# KiCad board Batch 1.kicad_pcb (continued)
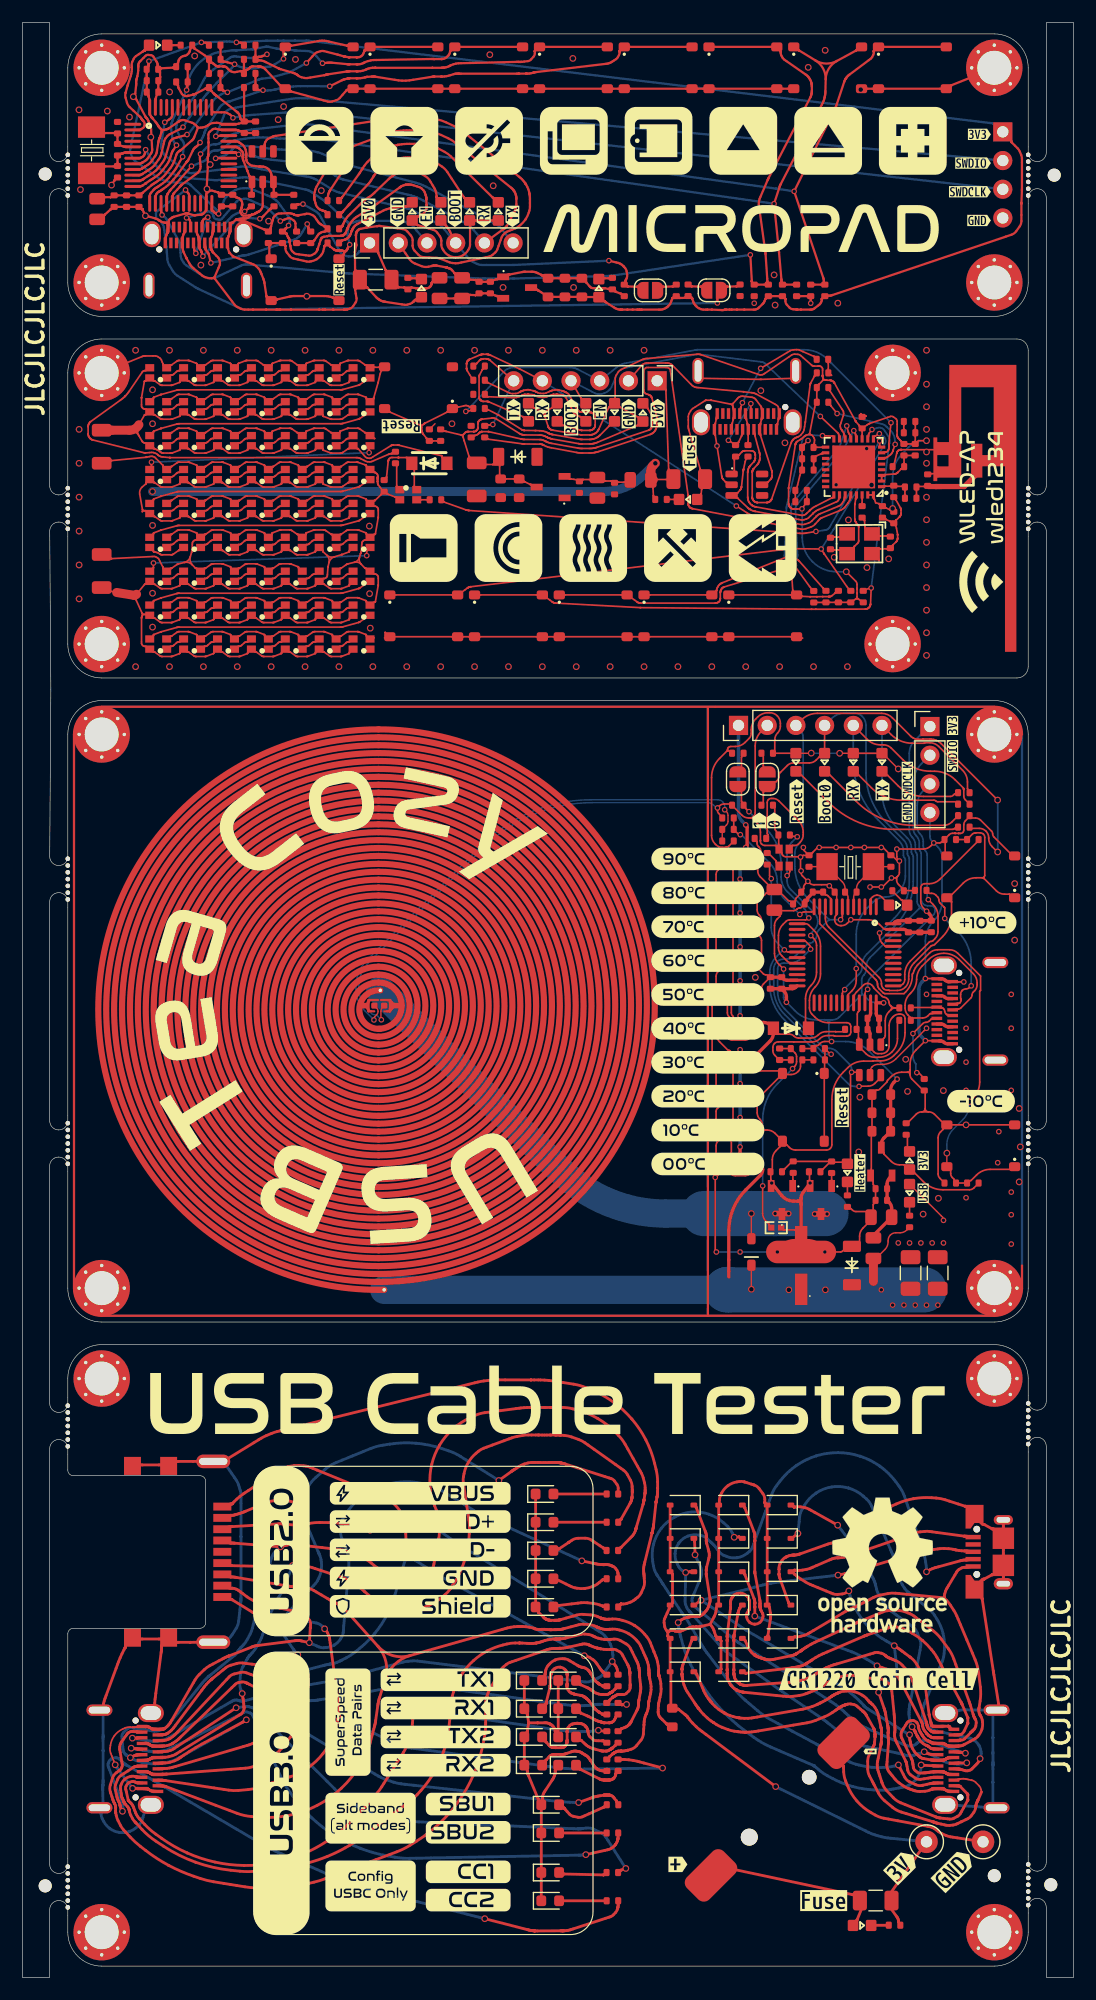
[diagram p0: board, top side]
## Placement (name value [footprint] x y rotation side) (continued)
R73  0402,22  [0402_1005Metric]  78.1 85.8 180 top
R74  0402,22  [0402_1005Metric]  78.1 84.7 180 top
R75  0402,5.1k  [0402_1005Metric]  79.8 79 270 top
R76  0402,100k  [0402_1005Metric]  66.7 71.3 180 top
R77  0402,1.2k  [0402_1005Metric]  73 68.7 270 top
R78  0402,100k  [0402_1005Metric]  70.1 71.3 180 top
R79  47k 3950K  [R0402]  66.7 66.35 180 top
R80  0402,330  [0402_1005Metric]  78.5 66.9 90 top
R81  0402,10k  [0402_1005Metric]  84.1 70.3 180 top
R82  0402,150  [0402_1005Metric]  52.7 23.78 270 top
R83  0402,150  [0402_1005Metric]  52.2 40.28 180 top
R84  0402,150  [0402_1005Metric]  52.2 35.28 180 top
R85  0402,150  [0402_1005Metric]  52.7 21.28 270 top
R86  0402,150  [0402_1005Metric]  52.7 26.28 270 top
R87  0402,150  [0402_1005Metric]  51.7 21.28 270 top
R88  0402,150  [0402_1005Metric]  52.19 37.78 180 top
R89  0402,150  [0402_1005Metric]  52.2 32.78 180 top
R90  0402,150  [0402_1005Metric]  51.7 23.78 270 top
R91  0402,150  [0402_1005Metric]  52.2 42.78 180 top
R92  0402,150  [0402_1005Metric]  51.7 26.28 270 top
R93  0402,150  [0402_1005Metric]  52.2 6.78 180 top
R94  0402,150  [0402_1005Metric]  52.21 15.28 180 top
R95  0402,150  [0402_1005Metric]  52.19 9.28 180 top
R96  0402,150  [0402_1005Metric]  51.7 18.78 270 top
R97  0402,150  [0402_1005Metric]  52.2 12.78 180 top
R98  0402,150  [0402_1005Metric]  52.7 18.78 270 top
R99  0402,330  [0402_1005Metric]  77.17 4.62 180 top
REF**  -  [MouseBitesJLCPCB]  89 97.2 270 top
REF**#2  -  [MouseBitesJLCPCB]  4 8 90 top
REF**#3  -  [OSHW-Logo_11.4x12mm_SilkScreen]  76.1 36.5 0 top
REF**#4  -  [MouseBitesJLCPCB]  89 49 270 top
REF**#5  -  [MouseBitesJLCPCB]  4 97.2 90 top
REF**#6  -  [MouseBitesJLCPCB]  89 8.2 270 top
REF**#7  -  [MouseBitesJLCPCB]  4 48.8 90 top
REF**#8  -  [MouseBitesJLCPCB]  4 73.8 90 top
REF**#9  -  [MouseBitesJLCPCB]  89 73.8 270 top
RGB1  XL-1615RGBC-WS2812B  [LED-SMD_4P-L1.6-W1.5_XL-1615RGBC-WS2812B]  12 130 180 top
RGB2  XL-1615RGBC-WS2812B  [LED-SMD_4P-L1.6-W1.5_XL-1615RGBC-WS2812B]  12 127 180 top
RGB3  XL-1615RGBC-WS2812B  [LED-SMD_4P-L1.6-W1.5_XL-1615RGBC-WS2812B]  21 136 180 top
RGB4  XL-1615RGBC-WS2812B  [LED-SMD_4P-L1.6-W1.5_XL-1615RGBC-WS2812B]  15 127 180 top
RGB5  XL-1615RGBC-WS2812B  [LED-SMD_4P-L1.6-W1.5_XL-1615RGBC-WS2812B]  18 133 180 top
RGB6  XL-1615RGBC-WS2812B  [LED-SMD_4P-L1.6-W1.5_XL-1615RGBC-WS2812B]  24 130 180 top
RGB7  XL-1615RGBC-WS2812B  [LED-SMD_4P-L1.6-W1.5_XL-1615RGBC-WS2812B]  12 142 180 top
RGB8  XL-1615RGBC-WS2812B  [LED-SMD_4P-L1.6-W1.5_XL-1615RGBC-WS2812B]  15 136 180 top
RGB9  XL-1615RGBC-WS2812B  [LED-SMD_4P-L1.6-W1.5_XL-1615RGBC-WS2812B]  18 124 180 top
RGB10  XL-1615RGBC-WS2812B  [LED-SMD_4P-L1.6-W1.5_XL-1615RGBC-WS2812B]  24 142 180 top
RGB11  XL-1615RGBC-WS2812B  [LED-SMD_4P-L1.6-W1.5_XL-1615RGBC-WS2812B]  12 124 180 top
RGB12  XL-1615RGBC-WS2812B  [LED-SMD_4P-L1.6-W1.5_XL-1615RGBC-WS2812B]  21 133 180 top
RGB13  XL-1615RGBC-WS2812B  [LED-SMD_4P-L1.6-W1.5_XL-1615RGBC-WS2812B]  24 136 180 top
RGB14  XL-1615RGBC-WS2812B  [LED-SMD_4P-L1.6-W1.5_XL-1615RGBC-WS2812B]  21 142 180 top
RGB15  XL-1615RGBC-WS2812B  [LED-SMD_4P-L1.6-W1.5_XL-1615RGBC-WS2812B]  15 130 180 top
RGB16  XL-1615RGBC-WS2812B  [LED-SMD_4P-L1.6-W1.5_XL-1615RGBC-WS2812B]  18 139 180 top
RGB17  XL-1615RGBC-WS2812B  [LED-SMD_4P-L1.6-W1.5_XL-1615RGBC-WS2812B]  12 139 180 top
RGB18  XL-1615RGBC-WS2812B  [LED-SMD_4P-L1.6-W1.5_XL-1615RGBC-WS2812B]  21 130 180 top
RGB19  XL-1615RGBC-WS2812B  [LED-SMD_4P-L1.6-W1.5_XL-1615RGBC-WS2812B]  18 136 180 top
RGB20  XL-1615RGBC-WS2812B  [LED-SMD_4P-L1.6-W1.5_XL-1615RGBC-WS2812B]  15 133 180 top
RGB21  XL-1615RGBC-WS2812B  [LED-SMD_4P-L1.6-W1.5_XL-1615RGBC-WS2812B]  21 139 180 top
RGB22  XL-1615RGBC-WS2812B  [LED-SMD_4P-L1.6-W1.5_XL-1615RGBC-WS2812B]  18 130 180 top
RGB23  XL-1615RGBC-WS2812B  [LED-SMD_4P-L1.6-W1.5_XL-1615RGBC-WS2812B]  15 124 180 top
RGB24  XL-1615RGBC-WS2812B  [LED-SMD_4P-L1.6-W1.5_XL-1615RGBC-WS2812B]  24 124 180 top
RGB25  XL-1615RGBC-WS2812B  [LED-SMD_4P-L1.6-W1.5_XL-1615RGBC-WS2812B]  24 139 180 top
RGB26  XL-1615RGBC-WS2812B  [LED-SMD_4P-L1.6-W1.5_XL-1615RGBC-WS2812B]  12 133 180 top
RGB27  XL-1615RGBC-WS2812B  [LED-SMD_4P-L1.6-W1.5_XL-1615RGBC-WS2812B]  18 142 180 top
RGB28  XL-1615RGBC-WS2812B  [LED-SMD_4P-L1.6-W1.5_XL-1615RGBC-WS2812B]  21 127 180 top
RGB29  XL-1615RGBC-WS2812B  [LED-SMD_4P-L1.6-W1.5_XL-1615RGBC-WS2812B]  21 124 180 top
RGB30  XL-1615RGBC-WS2812B  [LED-SMD_4P-L1.6-W1.5_XL-1615RGBC-WS2812B]  12 136 180 top
RGB31  XL-1615RGBC-WS2812B  [LED-SMD_4P-L1.6-W1.5_XL-1615RGBC-WS2812B]  15 139 180 top
RGB32  XL-1615RGBC-WS2812B  [LED-SMD_4P-L1.6-W1.5_XL-1615RGBC-WS2812B]  24 133 180 top
RGB33  XL-1615RGBC-WS2812B  [LED-SMD_4P-L1.6-W1.5_XL-1615RGBC-WS2812B]  18 127 180 top
RGB34  XL-1615RGBC-WS2812B  [LED-SMD_4P-L1.6-W1.5_XL-1615RGBC-WS2812B]  15 142 180 top
RGB35  XL-1615RGBC-WS2812B  [LED-SMD_4P-L1.6-W1.5_XL-1615RGBC-WS2812B]  24 127 180 top
RGB36  XL-1615RGBC-WS2812B  [LED-SMD_4P-L1.6-W1.5_XL-1615RGBC-WS2812B]  27 133 180 top
RGB37  XL-1615RGBC-WS2812B  [LED-SMD_4P-L1.6-W1.5_XL-1615RGBC-WS2812B]  30 133 180 top
RGB38  XL-1615RGBC-WS2812B  [LED-SMD_4P-L1.6-W1.5_XL-1615RGBC-WS2812B]  34.13 131.22 0 top
RGB39  XL-1615RGBC-WS2812B  [LED-SMD_4P-L1.6-W1.5_XL-1615RGBC-WS2812B]  27 130 180 top
RGB40  XL-1615RGBC-WS2812B  [LED-SMD_4P-L1.6-W1.5_XL-1615RGBC-WS2812B]  27 127 180 top
RGB41  XL-1615RGBC-WS2812B  [LED-SMD_4P-L1.6-W1.5_XL-1615RGBC-WS2812B]  27 136 180 top
RGB42  XL-1615RGBC-WS2812B  [LED-SMD_4P-L1.6-W1.5_XL-1615RGBC-WS2812B]  30 139 180 top
RGB43  XL-1615RGBC-WS2812B  [LED-SMD_4P-L1.6-W1.5_XL-1615RGBC-WS2812B]  30 124 180 top
RGB44  XL-1615RGBC-WS2812B  [LED-SMD_4P-L1.6-W1.5_XL-1615RGBC-WS2812B]  30 130 180 top
RGB45  XL-1615RGBC-WS2812B  [LED-SMD_4P-L1.6-W1.5_XL-1615RGBC-WS2812B]  30 136 180 top
RGB46  XL-1615RGBC-WS2812B  [LED-SMD_4P-L1.6-W1.5_XL-1615RGBC-WS2812B]  27 142 180 top
RGB47  XL-1615RGBC-WS2812B  [LED-SMD_4P-L1.6-W1.5_XL-1615RGBC-WS2812B]  30 142 180 top
RGB48  XL-1615RGBC-WS2812B  [LED-SMD_4P-L1.6-W1.5_XL-1615RGBC-WS2812B]  27 139 180 top
RGB49  XL-1615RGBC-WS2812B  [LED-SMD_4P-L1.6-W1.5_XL-1615RGBC-WS2812B]  27 124 180 top
RGB50  XL-1615RGBC-WS2812B  [LED-SMD_4P-L1.6-W1.5_XL-1615RGBC-WS2812B]  30 127 180 top
RGB51  XL-1615RGBC-WS2812B  [LED-SMD_4P-L1.6-W1.5_XL-1615RGBC-WS2812B]  18 121 180 top
RGB52  XL-1615RGBC-WS2812B  [LED-SMD_4P-L1.6-W1.5_XL-1615RGBC-WS2812B]  15 121 180 top
RGB53  XL-1615RGBC-WS2812B  [LED-SMD_4P-L1.6-W1.5_XL-1615RGBC-WS2812B]  24 121 180 top
RGB54  XL-1615RGBC-WS2812B  [LED-SMD_4P-L1.6-W1.5_XL-1615RGBC-WS2812B]  21 118 180 top
RGB55  XL-1615RGBC-WS2812B  [LED-SMD_4P-L1.6-W1.5_XL-1615RGBC-WS2812B]  21 121 180 top
RGB56  XL-1615RGBC-WS2812B  [LED-SMD_4P-L1.6-W1.5_XL-1615RGBC-WS2812B]  15 118 180 top
RGB57  XL-1615RGBC-WS2812B  [LED-SMD_4P-L1.6-W1.5_XL-1615RGBC-WS2812B]  12 121 180 top
RGB58  XL-1615RGBC-WS2812B  [LED-SMD_4P-L1.6-W1.5_XL-1615RGBC-WS2812B]  12 118 180 top
RGB59  XL-1615RGBC-WS2812B  [LED-SMD_4P-L1.6-W1.5_XL-1615RGBC-WS2812B]  18 118 180 top
RGB60  XL-1615RGBC-WS2812B  [LED-SMD_4P-L1.6-W1.5_XL-1615RGBC-WS2812B]  24 118 180 top
RGB61  XL-1615RGBC-WS2812B  [LED-SMD_4P-L1.6-W1.5_XL-1615RGBC-WS2812B]  30 118 180 top
RGB62  XL-1615RGBC-WS2812B  [LED-SMD_4P-L1.6-W1.5_XL-1615RGBC-WS2812B]  30 121 180 top
RGB63  XL-1615RGBC-WS2812B  [LED-SMD_4P-L1.6-W1.5_XL-1615RGBC-WS2812B]  27 121 180 top
RGB64  XL-1615RGBC-WS2812B  [LED-SMD_4P-L1.6-W1.5_XL-1615RGBC-WS2812B]  27 118 180 top
RGB65  XL-1615RGBC-WS2812B  [LED-SMD_4P-L1.6-W1.5_XL-1615RGBC-WS2812B]  62.8 99 0 top
RGB66  XL-1615RGBC-WS2812B  [LED-SMD_4P-L1.6-W1.5_XL-1615RGBC-WS2812B]  67.4 99.1 270 top
RGB67  XL-1615RGBC-WS2812B  [LED-SMD_4P-L1.6-W1.5_XL-1615RGBC-WS2812B]  62.8 96 0 top
RGB68  XL-1615RGBC-WS2812B  [LED-SMD_4P-L1.6-W1.5_XL-1615RGBC-WS2812B]  62.8 90 0 top
RGB69  XL-1615RGBC-WS2812B  [LED-SMD_4P-L1.6-W1.5_XL-1615RGBC-WS2812B]  62.8 81 0 top
RGB70  XL-1615RGBC-WS2812B  [LED-SMD_4P-L1.6-W1.5_XL-1615RGBC-WS2812B]  62.8 84 0 top
RGB71  XL-1615RGBC-WS2812B  [LED-SMD_4P-L1.6-W1.5_XL-1615RGBC-WS2812B]  62.8 87 0 top
RGB72  XL-1615RGBC-WS2812B  [LED-SMD_4P-L1.6-W1.5_XL-1615RGBC-WS2812B]  62.8 78 0 top
RGB73  XL-1615RGBC-WS2812B  [LED-SMD_4P-L1.6-W1.5_XL-1615RGBC-WS2812B]  62.8 93 0 top
RGB74  XL-1615RGBC-WS2812B  [LED-SMD_4P-L1.6-W1.5_XL-1615RGBC-WS2812B]  62.8 75 0 top
RGB75  XL-1615RGBC-WS2812B  [LED-SMD_4P-L1.6-W1.5_XL-1615RGBC-WS2812B]  62.8 72 0 top
SW1  Button SPST 50mA 12V  [SW-SMD_4P-L5.1-W5.1-P3.70-LS6.5-TL-2]  25 150.25 0 top
SW2  Button SPST 50mA 12V  [SW-SMD_4P-L5.1-W5.1-P3.70-LS6.5-TL-2]  33.75 169 0 top
SW3  Button SPST 50mA 12V  [SW-SMD_4P-L5.1-W5.1-P3.70-LS6.5-TL-2]  41.25 169 0 top
SW4  Button SPST 50mA 12V  [SW-SMD_4P-L5.1-W5.1-P3.70-LS6.5-TL-2]  26.25 169 0 top
SW5  Button SPST 50mA 12V  [SW-SMD_4P-L5.1-W5.1-P3.70-LS6.5-TL-2]  48.75 169 0 top
SW6  Button SPST 50mA 12V  [SW-SMD_4P-L5.1-W5.1-P3.70-LS6.5-TL-2]  56.25 169 0 top
SW7  Button SPST 50mA 12V  [SW-SMD_4P-L5.1-W5.1-P3.70-LS6.5-TL-2]  71.25 169 0 top
SW8  Button SPST 50mA 12V  [SW-SMD_4P-L5.1-W5.1-P3.70-LS6.5-TL-2]  63.75 169 0 top
SW9  Button SPST 50mA 12V  [SW-SMD_4P-L5.1-W5.1-P3.70-LS6.5-TL-2]  78.75 169 0 top
SW10  Button SPST 50mA 12V  [SW-SMD_4P-L5.1-W5.1-P3.70-LS6.5-TL-2]  35.04 140.69 180 top
SW11  Button SPST 50mA 12V  [SW-SMD_4P-L5.1-W5.1-P3.70-LS6.5-TL-2]  43 120.5 0 top
SW12  Button SPST 50mA 12V  [SW-SMD_4P-L5.1-W5.1-P3.70-LS6.5-TL-2]  50.5 120.5 0 top
SW13  Button SPST 50mA 12V  [SW-SMD_4P-L5.1-W5.1-P3.70-LS6.5-TL-2]  35.5 120.5 0 top
SW14  Button SPST 50mA 12V  [SW-SMD_4P-L5.1-W5.1-P3.70-LS6.5-TL-2]  58 120.5 0 top
SW15  Button SPST 50mA 12V  [SW-SMD_4P-L5.1-W5.1-P3.70-LS6.5-TL-2]  65.5 120.5 0 top
SW16  Button SPST 50mA 12V  [SW-SMD_4P-L5.1-W5.1-P3.70-LS6.5-TL-2]  84.8 97.4 180 top
SW17  Button SPST 50mA 12V  [SW-SMD_4P-L5.1-W5.1-P3.70-LS6.5-TL-2]  69.1 77 270 top
SW18  Button SPST 50mA 12V  [SW-SMD_4P-L5.1-W5.1-P3.70-LS6.5-TL-2]  84.8 73.6 180 top
TP1  GND  [TestPoint_Loop_D1.80mm_Drill1.0mm_Beaded]  85 12 90 top
TP2  3V0  [TestPoint_Loop_D1.80mm_Drill1.0mm_Beaded]  80 12 90 top
U1  8MHz 20pF ±10ppm  [CRYSTAL-SMD_L5.0-W3.2]  6.1 161.7 90 top
U2  MCU 72MHz STM32F103C8T6  [LQFP-48_L7.0-W7.0-P0.50-LS9.0-BL]  14 161.25 270 top
U3  SM4007PL  [SOD-123F_L2.8-W1.8-LS3.7-RD]  36 134 0 top
U4  ESP32-C3FH4  [QFN-32_L5.0-W5.0-P0.50-TL-EP3.7]  73.55 133.68 180 top
U5  8MHz 20pF ±10ppm  [CRYSTAL-SMD_L5.0-W3.2]  73.25 98.3 0 top
U6  MCU 72MHz STM32F103C8T6  [LQFP-48_L7.0-W7.0-P0.50-LS9.0-BL]  72.8 90.5 180 top
U7  SM4007PL  [SOD-123F_L2.8-W1.8-LS3.7-RD]  68 84 180 top
U8  NMOS AO3400A  [SOT-23-3_L2.9-W1.6-P1.90-LS2.8-BR]  70.65 68.8 90 top
U9  NMOS AO3400A  [SOT-23-3_L2.9-W1.6-P1.90-LS2.8-BR]  67.2 68.8 90 top
X1  40Mhz  [OSC-SMD_4P-L3.2-W2.5-BL]  74.07 126.87 180 top

## Library data of the parts
AE1 = -: Description: Antenna with extra pin for shielding
B1 = -: Datasheet: https://atta.szlcsc.com/upload/public/pdf/source/20201231/C964721_199C6EC0B9FA2987F2BCCA5E127C88A0.pdf; LCSC: C964721; Field5: REF**
C1 C8 C9 C18 C20 C31 C66 C67 C71 C80 C88 = -: Datasheet: https://datasheet.lcsc.com/lcsc/1810192025_Samsung-Electro-Mechanics-CL05C331JB5NNNC_C13533.pdf; Description: 50V 330pF C0G   5% 0402 Multilayer Ceramic Capacitors MLCC - SMD SMT ROHS; LCSC: C13533; MFG: Samsung Electro-Mechanics; MFGPN: CL05C331JB5NNNC
C2 C4 C14 C16 C35 C55-C57 C60-C63 C65 C68-C70 C72 C75-C78 C81 = -: Datasheet: https://datasheet.lcsc.com/lcsc/1810191219_Samsung-Electro-Mechanics-CL05B104KO5NNNC_C1525.pdf; Description: 16V 100nF X7R   10% 0402 Multilayer Ceramic Capacitors MLCC - SMD SMT ROHS; LCSC: C1525; MFG: Samsung Electro-Mechanics; MFGPN: CL05B104KO5NNNC
C3 C5 C7 C10 C12 C15 C26-C28 C34 C42 C46 C47 C52 C59 C64 C86 = -: Datasheet: https://datasheet.lcsc.com/lcsc/1811091611_Samsung-Electro-Mechanics-CL05A105KA5NQNC_C52923.pdf; Description: 25V 1uF X5R   10% 0402 Multilayer Ceramic Capacitors MLCC - SMD SMT ROHS; LCSC: C52923; MFG: Samsung Electro-Mechanics; MFGPN: CL05A105KA5NQNC
C6 C74 = -: Datasheet: https://datasheet.lcsc.com/lcsc/1810191223_Samsung-Electro-Mechanics-CL05B103KB5NNNC_C15195.pdf; Description: 50V 10nF X7R   10% 0402 Multilayer Ceramic Capacitors MLCC - SMD SMT ROHS; LCSC: C15195; MFG: Samsung Electro-Mechanics; MFGPN: CL05B103KB5NNNC
C11 C21 C41 C79 C89 = -: Datasheet: https://datasheet.lcsc.com/lcsc/1810191211_Samsung-Electro-Mechanics-CL05A475MP5NRNC_C23733.pdf; Description: 10V 4 7uF X5R   20% 0402 Multilayer Ceramic Capacitors MLCC - SMD SMT ROHS; LCSC: C23733; MFG: Samsung Electro-Mechanics; MFGPN: CL05A475MP5NRNC
C13 C17 C54 C58 = -: Datasheet: https://datasheet.lcsc.com/lcsc/1811141710_FH-Guangdong-Fenghua-Advanced-Tech-0402CG200J500NT_C1554.pdf; Description: 50V 20pF C0G   5% 0402 Multilayer Ceramic Capacitors MLCC - SMD SMT ROHS; LCSC: C1554; MFG: FH(Guangdong Fenghua Advanced Tech); MFGPN: 0402CG200J500NT
C19 C23 C37 C73 C87 = -: Datasheet: https://datasheet.lcsc.com/lcsc/1810191216_Samsung-Electro-Mechanics-CL21B105KBFNNNE_C28323.pdf; Description: 50V 1uF X7R   10% 0805 Multilayer Ceramic Capacitors MLCC - SMD SMT ROHS; LCSC: C28323; MFG: Samsung Electro-Mechanics; MFGPN: CL21B105KBFNNNE
C22 C25 C32 C82 C84 = -: Datasheet: https://datasheet.lcsc.com/lcsc/1810261513_Samsung-Electro-Mechanics-CL10B474KA8NNNC_C1623.pdf; Description: 25V 470nF X7R   10% 0603 Multilayer Ceramic Capacitors MLCC - SMD SMT ROHS; LCSC: C1623; MFG: Samsung Electro-Mechanics; MFGPN: CL10B474KA8NNNC
C24 C36 C83 = -: Datasheet: https://datasheet.lcsc.com/lcsc/1810261512_Samsung-Electro-Mechanics-CL10C331JB8NNNC_C1664.pdf; Description: 50V 330pF C0G   5% 0603 Multilayer Ceramic Capacitors MLCC - SMD SMT ROHS; LCSC: C1664; MFG: Samsung Electro-Mechanics; MFGPN: CL10C331JB8NNNC
C29 C30 = -: Datasheet: https://datasheet.lcsc.com/lcsc/1811091112_FH-Guangdong-Fenghua-Advanced-Tech-1206B475K500NT_C29823.pdf; Description: 50V 4 7uF X7R   10% 1206 Multilayer Ceramic Capacitors MLCC - SMD SMT ROHS; LCSC: C29823; MFG: FH(Guangdong Fenghua Advanced Tech); MFGPN: 1206B475K500NT
C33 = -: Datasheet: https://datasheet.lcsc.com/lcsc/1810301816_Samsung-Electro-Mechanics-CL31A107MQHNNNE_C15008.pdf; Description: 6 3V 100uF X5R   20% 1206 Multilayer Ceramic Capacitors MLCC - SMD SMT ROHS; LCSC: C15008; MFG: Samsung Electro-Mechanics; MFGPN: CL31A107MQHNNNE
C38 C40 C45 C49 C50 = -: Datasheet: https://datasheet.lcsc.com/lcsc/1810191222_Samsung-Electro-Mechanics-CL05B104KB54PNC_C307331.pdf; Description: 50V 100nF X7R   10% 0402 Multilayer Ceramic Capacitors MLCC - SMD SMT ROHS; LCSC: C307331; MFG: Samsung Electro-Mechanics; MFGPN: CL05B104KB54PNC
C39 C44 = -: Datasheet: https://datasheet.lcsc.com/lcsc/1810191215_Samsung-Electro-Mechanics-CL05A106MQ5NUNC_C15525.pdf; Description: 6 3V 10uF X5R   20% 0402 Multilayer Ceramic Capacitors MLCC - SMD SMT ROHS; LCSC: C15525; MFG: Samsung Electro-Mechanics; MFGPN: CL05A106MQ5NUNC
C43 C53 = -: Datasheet: https://datasheet.lcsc.com/lcsc/1811141710_FH-Guangdong-Fenghua-Advanced-Tech-0402CG120J500NT_C1547.pdf; Description: 50V 12pF C0G   5% 0402 Multilayer Ceramic Capacitors MLCC - SMD SMT ROHS; LCSC: C1547; MFG: FH(Guangdong Fenghua Advanced Tech); MFGPN: 0402CG120J500NT
C48 C51 = -: Datasheet: https://datasheet.lcsc.com/lcsc/1811151132_FH-Guangdong-Fenghua-Advanced-Tech-0402CG1R5C500NT_C1552.pdf; Description: 50V 1 5pF C0G   0 25pF 0402 Multilayer Ceramic Capacitors MLCC - SMD SMT ROHS; LCSC: C1552; MFG: FH(Guangdong Fenghua Advanced Tech); MFGPN: 0402CG1R5C500NT
C85 = -: Datasheet: https://atta.szlcsc.com/upload/public/pdf/source/20180619/C242468_0907156AEEC7C24E7C84992C7243A0F2.pdf; LCSC: C2887274; Field5: REF**
C90 = -: Datasheet: https://datasheet.lcsc.com/lcsc/1810191219_Samsung-Electro-Mechanics-CL10A106KP8NNNC_C19702.pdf; Description: 10V 10uF X5R   10% 0603 Multilayer Ceramic Capacitors MLCC - SMD SMT ROHS; LCSC: C19702; MFG: Samsung Electro-Mechanics; MFGPN: CL10A106KP8NNNC
D1 = -: Datasheet: https://www.lcsc.com/product-detail/Zener-Diodes_ST-Semtech-ZMM3V3-M_C8056.html; LCSC: C7497475; Field5: REF**
D2 = -: Datasheet: https://item.szlcsc.com/295156.html; LCSC: C191023; Field5: REF**
D3 = -: Datasheet: https://item.szlcsc.com/85230.html; LCSC: C8062; Field5: REF**
D4-D14 D32-D37 = -: Description: Light emitting diode; LCSC: C2986059; ki_fp_filters: LED* LED_SMD:* LED_THT:*
D15-D19 D22-D25 D27 D31 = -: Description: Diode; Sim.Device: D; Sim.Pins: 1=K 2=A; LCSC: C7502717; ki_fp_filters: TO-???* *_Diode_* *SingleDiode* D_*
D20 D21 D26 D28-D30 = -: Description: Diode; LCSC: C7502717; Sim.Device: D; Sim.Pins: 1=K 2=A; ki_fp_filters: TO-???* *_Diode_* *SingleDiode* D_*
ESD1-ESD3 = -: Datasheet: https://item.szlcsc.com/169042.html; LCSC: C85364; Field5: REF**
F1-F5 = -: Description: Resettable fuse, polymeric positive temperature coefficient; LCSC: C2838983; ki_fp_filters: *polyfuse* *PTC*
FB1-FB3 = -: Datasheet: https://item.szlcsc.com/344132.html; LCSC: C1015
HC1 = -: Description: Resistive heater
J1 J4 J8 J11 J12 = -: Datasheet: https://www.usb.org/sites/default/files/documents/usb_type-c.zip; Description: USB Full-Featured Type-C Receptacle connector; LCSC: C5156605; Field5: REF**; ki_fp_filters: USB*C*Receptacle*
J2 J5 J6 = -: Description: Generic connector, single row, 01x06, script generated; ki_fp_filters: Connector*:*_1x??_*
J3 J7 = -: Description: Generic connector, single row, 01x04, script generated; ki_fp_filters: Connector*:*_1x??_*
J9 = -: Description: USB 3.0 A connector; LCSC: C7501855; Field5: REF**; ki_fp_filters: USB3*
J10 = -: Description: USB Micro Type B connector; LCSC: C2682231; ki_fp_filters: USB*
JP1-JP4 = -: Description: Jumper, 2-pole, open; ki_fp_filters: Jumper* TestPoint*2Pads* TestPoint*Bridge*
L1-L4 = -: Datasheet: https://item.szlcsc.com/344049.html; LCSC: C14033
LDO1-LDO3 = -: Datasheet: https://datasheet.lcsc.com/lcsc/2304140030_Torex-Semicon-XC6206P332MR_C5446.pdf; LCSC: C5446; Field5: REF**
LED1-LED3 LED8 LED9 LED16 LED17 LED19 = -: Datasheet: https://atta.szlcsc.com/upload/public/pdf/source/20180129/C125100_15171877314981315871.pdf; LCSC: C72038; Field5: REF**
LED4-LED7 LED10-LED15 LED18 LED20-LED22 = -: Datasheet: https://item.szlcsc.com/347874.html; LCSC: C2286; Field5: REF**
R1 R11 R73 R74 = -: Datasheet: https://datasheet.lcsc.com/lcsc/2110252230_UNI-ROYAL-Uniroyal-Elec-0402WGF220JTCE_C25092.pdf; Description: 1% 1 16W Thick Film Resistors 50V   200ppm    -55    155   22   0402 Chip Resistor - Surface Mount ROHS; LCSC: C25092; MFG: UNI-ROYAL(Uniroyal Elec); MFGPN: 0402WGF220JTCE
R2 R4 R5 R7 R8 R10 R20 R22 R25 R34 R37 R41 R44 R45 R48 R49 R51 R57 R67 R81 = -: Datasheet: https://datasheet.lcsc.com/lcsc/2110260030_UNI-ROYAL-Uniroyal-Elec-0402WGF1002TCE_C25744.pdf; Description: 1% 1 16W Thick Film Resistors 50V   100ppm    -55    155   10k   0402 Chip Resistor - Surface Mount ROHS; LCSC: C25744; MFG: UNI-ROYAL(Uniroyal Elec); MFGPN: 0402WGF1002TCE
R3 R63 R66 R68 = -: Datasheet: https://datasheet.lcsc.com/lcsc/2110260030_UNI-ROYAL-Uniroyal-Elec-0402WGF4701TCE_C25900.pdf; Description: 1% 1 16W Thick Film Resistors 50V   100ppm    -55    155   4 7k   0402 Chip Resistor - Surface Mount ROHS; LCSC: C25900; MFG: UNI-ROYAL(Uniroyal Elec); MFGPN: 0402WGF4701TCE
R6 R16 R38 R43 R70 R75 = -: Datasheet: https://datasheet.lcsc.com/lcsc/2110260030_UNI-ROYAL-Uniroyal-Elec-0402WGF5101TCE_C25905.pdf; Description: 1% 1 16W Thick Film Resistors 50V   100ppm    -55    155   5 1k   0402 Chip Resistor - Surface Mount ROHS; LCSC: C25905; MFG: UNI-ROYAL(Uniroyal Elec); MFGPN: 0402WGF5101TCE
R9 R71 R82-R98 = -: Datasheet: https://datasheet.lcsc.com/lcsc/2110252230_UNI-ROYAL-Uniroyal-Elec-0402WGF1500TCE_C25082.pdf; Description: 1% 1 16W Thick Film Resistors 50V   100ppm    -55    155   150   0402 Chip Resistor - Surface Mount ROHS; LCSC: C25082; MFG: UNI-ROYAL(Uniroyal Elec); MFGPN: 0402WGF1500TCE
R12 R69 = -: Datasheet: https://datasheet.lcsc.com/lcsc/2110260130_UNI-ROYAL-Uniroyal-Elec-0402WGF1004TCE_C26083.pdf; Description: 1% 1 16W Thick Film Resistors 50V   100ppm    -55    155   1M   0402 Chip Resistor - Surface Mount ROHS; LCSC: C26083; MFG: UNI-ROYAL(Uniroyal Elec); MFGPN: 0402WGF1004TCE
R13 R14 R23 R27 R29 R33 R59 R60 R72 R77 = -: Datasheet: https://datasheet.lcsc.com/lcsc/2110260030_UNI-ROYAL-Uniroyal-Elec-0402WGF1201TCE_C25862.pdf; Description: 1% 1 16W Thick Film Resistors 50V   100ppm    -55    155   1 2k   0402 Chip Resistor - Surface Mount ROHS; LCSC: C25862; MFG: UNI-ROYAL(Uniroyal Elec); MFGPN: 0402WGF1201TCE
R15 R42 R80 R99 = -: Datasheet: https://datasheet.lcsc.com/lcsc/2110252230_UNI-ROYAL-Uniroyal-Elec-0402WGF3300TCE_C25104.pdf; Description: 1% 1 16W Thick Film Resistors 50V   100ppm    -55    155   330   0402 Chip Resistor - Surface Mount ROHS; LCSC: C25104; MFG: UNI-ROYAL(Uniroyal Elec); MFGPN: 0402WGF3300TCE
R17 R18 R30 R35 R58 R61 = -: Datasheet: https://datasheet.lcsc.com/lcsc/2110252230_UNI-ROYAL-Uniroyal-Elec-0402WGF6800TCE_C25130.pdf; Description: 1% 1 16W Thick Film Resistors 50V   100ppm    -55    155   680   0402 Chip Resistor - Surface Mount ROHS; LCSC: C25130; MFG: UNI-ROYAL(Uniroyal Elec); MFGPN: 0402WGF6800TCE
R19 R26 R46 R55 R76 R78 = -: Datasheet: https://datasheet.lcsc.com/lcsc/2110260030_UNI-ROYAL-Uniroyal-Elec-0402WGF1003TCE_C25741.pdf; Description: 1% 1 16W Thick Film Resistors 50V   100ppm    -55    155   100k   0402 Chip Resistor - Surface Mount ROHS; LCSC: C25741; MFG: UNI-ROYAL(Uniroyal Elec); MFGPN: 0402WGF1003TCE
R21 R24 R47 R52 R53 R64 = -: Datasheet: https://datasheet.lcsc.com/lcsc/2110251730_UNI-ROYAL-Uniroyal-Elec-0402WGF1001TCE_C11702.pdf; Description: 1% 1 16W Thick Film Resistors 50V   100ppm    -55    155   1k   0402 Chip Resistor - Surface Mount ROHS; LCSC: C11702; MFG: UNI-ROYAL(Uniroyal Elec); MFGPN: 0402WGF1001TCE
R28 R31 R50 R54 = -: Datasheet: https://datasheet.lcsc.com/lcsc/2110252230_UNI-ROYAL-Uniroyal-Elec-0402WGF1000TCE_C25076.pdf; Description: 1% 1 16W Thick Film Resistors 50V   200ppm    -55    155   100   0402 Chip Resistor - Surface Mount ROHS; LCSC: C25076; MFG: UNI-ROYAL(Uniroyal Elec); MFGPN: 0402WGF1000TCE
R32 = -: Datasheet: https://datasheet.lcsc.com/lcsc/2110252230_UNI-ROYAL-Uniroyal-Elec-0402WGF5100TCE_C25123.pdf; Description: 1% 1 16W Thick Film Resistors 50V   100ppm    -55    155   510   0402 Chip Resistor - Surface Mount ROHS; LCSC: C25123; MFG: UNI-ROYAL(Uniroyal Elec); MFGPN: 0402WGF5100TCE
R36 R39 R40 = -: Datasheet: https://datasheet.lcsc.com/lcsc/2110251730_UNI-ROYAL-Uniroyal-Elec-0402WGF0000TCE_C17168.pdf; Description: 1% 1 16W Thick Film Resistors 50V   800ppm    -55    155   0   0402 Chip Resistor - Surface Mount ROHS; LCSC: C17168; MFG: UNI-ROYAL(Uniroyal Elec); MFGPN: 0402WGF0000TCE
R56 R65 = -: Datasheet: https://datasheet.lcsc.com/lcsc/2110260030_UNI-ROYAL-Uniroyal-Elec-0402WGF4702TCE_C25792.pdf; Description: 1% 1 16W Thick Film Resistors 50V   100ppm    -55    155   47k   0402 Chip Resistor - Surface Mount ROHS; LCSC: C25792; MFG: UNI-ROYAL(Uniroyal Elec); MFGPN: 0402WGF4702TCE
R62 R79 = -: Datasheet: https://item.szlcsc.com/323315.html; LCSC: C2991699; Field5: REF**
RGB1-RGB75 = -: Datasheet: https://atta.szlcsc.com/upload/public/pdf/source/20230111/5AD58278EBED6B6650A81C53A19BF314.pdf; LCSC: C5349954; Field5: REF**
SW1-SW18 = -: Datasheet: https://item.szlcsc.com/300285.html; LCSC: C318884; Field5: REF**
TP1 TP2 = -: Description: test point (alternative probe-style design); ki_fp_filters: Pin* Test*
U1 U5 = -: Datasheet: https://atta.szlcsc.com/upload/public/pdf/source/20181112/C254399_C5BBDD3824DCEC70A37F176D8FB90B40.pdf; LCSC: C115962; Field5: REF**
U2 U6 = -: Datasheet: https://atta.szlcsc.com/upload/public/pdf/source/20190808/C411336_D1D2DF7683029D856BA010BA7A5BF7EA.pdf; LCSC: C8734; Field5: REF**
U3 U7 = -: Datasheet: https://item.szlcsc.com/60254.html; LCSC: C64898; Field5: REF**
U4 = -: Datasheet: https://item.szlcsc.com/18002.html; LCSC: C2858491; Field5: REF**
U8 U9 = -: Datasheet: https://item.szlcsc.com/14454.html; LCSC: C20917; Field5: REF**
X1 = -: Datasheet: https://item.szlcsc.com/15866.html; Field4: REF**

## Footprints (pads in the part's own frame, mm; a bottom-side part is the same pattern mirrored in y, then rotated)
0402_1005Metric
  rrect 0.54x0.64 smd: 1(-0.51,0) 2(0.51,0)
0603_1608Metric
  rrect 0.8x0.95 smd: 1(-0.825,0) 2(0.825,0)
0805_2012Metric
  rrect 1.025x1.4 smd: 1(-0.912,0) 2(0.912,0)
1206_3216Metric
  rrect 1.125x1.75 smd: 1(-1.462,0) 2(1.462,0)
BAT-SMD_BS-12-B2AA002
  round 1.3 hole 1.3 unplated: (-3.99,0)
  round 1.5 hole 1.5 unplated: (3.51,0)
  rrect 4.6x2.8 smd: 1(8.3,0) 2(-8.3,0)
CAP-SMD_BD5.0-L5.3-W5.3-LS6.0-FD
  rect 2.8x1.1 smd: 1(-2.1,0) 2(2.1,0)
CRYSTAL-SMD_L5.0-W3.2
  rect 1.9x2.4 smd: 1(-2.05,0) 2(2.05,0)
D_SOD-323
  rrect 0.6x0.45 smd: 1(-1.05,0) 2(1.05,0)
Fuse_1206_3216Metric
  rrect 1.25x1.75 smd: 1(-1.4,0) 2(1.4,0)
heater_coil
  round 0.5 hole 0.3: 1(25.15,0.5) 2(-1.35,0.16)
Inverted_F_Antenna_2.4Ghz_1.0mmPCB_TI_CC2430DB.pretty
  rrect 0.46x1 smd: 1(10.77,-6.9)
  rrect 1.15x0.2 smd: 2(7.41,-7)
  rrect 1x0.2 smd: 2(9.48,-7)
LED0603
  rrect 0.95x1 smd: 1(-0.8,0) 2(0.8,0)
LED-SMD_4P-L1.6-W1.5_XL-1615RGBC-WS2812B
  rect 0.8x0.65 smd: 1(-0.75,0.45) 2(0.75,0.45) 3(-0.75,-0.45) 4(0.75,-0.45)
LED_0603_1608Metric
  rrect 0.875x0.95 smd: 1(-0.787,0) 2(0.787,0)
LL-34_L3.5-W1.5-RD
  rrect 1x1.6 smd: 1(-1.7,0) 2(1.7,0)
LQFP-48_L7.0-W7.0-P0.50-LS9.0-BL
  oval 0.27x1.5 smd: 1(-2.75,-4.25) 2(-2.25,-4.25) 3(-1.75,-4.25) 4(-1.25,-4.25) 5(-0.75,-4.25) 6(-0.25,-4.25) 7(0.25,-4.25) 8(0.75,-4.25) 9(1.25,-4.25) 10(1.75,-4.25) 11(2.25,-4.25) 12(2.75,-4.25) 25(2.75,4.25) 26(2.25,4.25) 27(1.75,4.25) 28(1.25,4.25) 29(0.75,4.25) 30(0.25,4.25) 31(-0.25,4.25) 32(-0.75,4.25) 33(-1.25,4.25) 34(-1.75,4.25) 35(-2.25,4.25) 36(-2.75,4.25)
  oval 1.5x0.27 smd: 13(4.25,-2.75) 14(4.25,-2.25) 15(4.25,-1.75) 16(4.25,-1.25) 17(4.25,-0.75) 18(4.25,-0.25) 19(4.25,0.25) 20(4.25,0.75) 21(4.25,1.25) 22(4.25,1.75) 23(4.25,2.25) 24(4.25,2.75) 37(-4.25,2.75) 38(-4.25,2.25) 39(-4.25,1.75) 40(-4.25,1.25) 41(-4.25,0.75) 42(-4.25,0.25) 43(-4.25,-0.25) 44(-4.25,-0.75) 45(-4.25,-1.25) 46(-4.25,-1.75) 47(-4.25,-2.25) 48(-4.25,-2.75)
MountingHole_2.1mm
  round 1.152 hole 1.152 unplated: (0,0)
MountingHole_3.2mm_M3
  round 0.4 hole 0.3: (-2,0) (-1.414,1.414) (-1.414,-1.414) (0,2) (0,-2) (1.414,1.414) (1.414,-1.414) (2,0)
  round 5 hole 3: (0,0)
MouseBitesJLCPCB
  round 0.4 hole 0.4 unplated: (-1.8,0) (-1.2,0) (-0.6,0) (0,0) (0.6,0) (1.2,0) (1.8,0)
OSC-SMD_4P-L3.2-W2.5-BL
  rect 1.4x1.2 smd: 1(-1.1,-0.875) 2(1.1,-0.875) 3(1.1,0.875) 4(-1.1,0.875)
PinHeader_1x04_P2.54mm_Vertical
  rect 1.7x1.7 hole 1: 1(0,0)
  oval 1.7x1.7 hole 1: 2(0,-2.54) 3(0,-5.08) 4(0,-7.62)
PinHeader_1x06_P2.54mm_Vertical
  rect 1.7x1.7 hole 1: 1(0,0)
  oval 1.7x1.7 hole 1: 2(0,-2.54) 3(0,-5.08) 4(0,-7.62) 5(0,-10.16) 6(0,-12.7)
QFN-32_L5.0-W5.0-P0.50-TL-EP3.7
  rect 0.65x0.28 smd: 1(-2.478,1.75) 2(-2.478,1.25) 3(-2.478,0.75) 4(-2.478,0.25) 5(-2.478,-0.25) 6(-2.478,-0.75) 7(-2.478,-1.25) 8(-2.478,-1.75) 17(2.478,-1.75) 18(2.478,-1.25) 19(2.478,-0.75) 20(2.478,-0.25) 21(2.478,0.25) 22(2.478,0.75) 23(2.478,1.25) 24(2.478,1.75)
  rect 0.28x0.65 smd: 9(-1.75,-2.478) 10(-1.25,-2.478) 11(-0.75,-2.478) 12(-0.25,-2.478) 13(0.25,-2.478) 14(0.75,-2.478) 15(1.25,-2.478) 16(1.75,-2.478) 25(1.75,2.478) 26(1.25,2.478) 27(0.75,2.478) 28(0.25,2.478) 29(-0.25,2.478) 30(-0.75,2.478) 31(-1.25,2.478) 32(-1.75,2.478)
  rect 3.8x3.8 smd: 33(0,0)
R0402
  rect 0.566x0.54 smd: 1(-0.433,0) 2(0.433,0)
R0402#2
  rrect 0.566x0.54 smd: 1(-0.433,0) 2(0.433,0)
SOD-123F_L2.8-W1.8-LS3.7-RD
  rect 1x1.2 smd: 1(-1.55,0) 2(1.55,0)
SOD-323_L1.8-W1.3-LS2.5-RD
  rrect 1x0.75 smd: 1(-1.173,0) 2(1.173,0)
SolderJumper-2_P1.3mm_Open_RoundedPad1.0x1.5mm
  custom 1x1.5 smd: 1(-0.65,0) 2(0.65,0)
SOT-23-3_L2.9-W1.6-P1.90-LS2.8-BR
  rect 1.07x0.6 smd: 1(1.235,-0.95) 2(1.235,0.95) 3(-1.235,0)
SOT-23-6_L2.9-W1.6-P0.95-LS2.8-BR
  rrect 1.1x0.6 smd: 1(1.35,-0.95) 2(1.35,0) 3(1.35,0.95) 4(-1.35,0.95) 5(-1.35,0) 6(-1.35,-0.95)
SW-SMD_4P-L5.1-W5.1-P3.70-LS6.5-TL-2
  rrect 1x0.8 smd: 1(-3,1.85) 2(3,1.85) 3(-3,-1.85) 4(3,-1.85)
TestPoint_Loop_D1.80mm_Drill1.0mm_Beaded
  round 2 hole 1: 1(0,0)
TYPE-C-SMD_C9900025773
  round 0.55 hole 0.55 unplated: (-3.4,0.612) (3.4,0.612)
  rect 0.3x0.95 smd: A1(-2.625,2.588) A2(-2.125,2.588) A3(-1.625,2.588) A4(-1.125,2.588) A5(-0.625,2.588) A6(-0.125,2.588) A7(0.375,2.588) A8(0.875,2.588) A9(1.375,2.588) A10(1.875,2.588) A11(2.375,2.588) A12(2.875,2.588) B1(2.625,1.188) B2(2.125,1.188) B3(1.625,1.188) B4(1.125,1.188) B5(0.625,1.188) B6(0.125,1.188) B7(-0.375,1.188) B8(-0.875,1.188) B9(-1.375,1.188) B10(-1.875,1.188) B11(-2.375,1.188) B12(-2.875,1.188)
  oval 1x2.3 hole 0.6x1.9: S1(-4.32,-2.588) S1(4.32,-2.588)
  oval 1.6x2.3 hole 1.2x1.8: S1(-4.06,1.962) S1(4.06,1.962)
USB-A-SMD_HC-USB3.0-C225-P
  rect 0.7x1.6 smd: 1(-3,3.975) 2(-1,3.975) 3(1,3.975) 4(3,3.975) 5(4,3.975) 6(2,3.975) 7(0,3.975) 8(-2,3.975) 9(-4,3.975)
  oval 1.2x3 hole 0.61x2.5: 10(-8,3.175) 10(8,3.175)
  rect 1.6x1.5 smd: 10(-7.6,-0.775) 10(-7.6,-3.975) 10(7.6,-0.775) 10(7.6,-3.975)
USB_Micro-B_XKB_U254-051T-4BH83-F1S
  round 0.6 hole 0.6 unplated: (-2,1.96) (2,1.96)
  rect 0.4x1.35 smd: 1(-1.3,2.285) 2(-0.65,2.285) 3(0,2.285) 4(0.65,2.285) 5(1.3,2.285)
  custom 2.1x1.6 smd: 6(-3.1,2.16) 6(3.1,2.16)
  oval 1x1.7 hole 0.5x1.2: 6(-2.825,-0.39)
  rect 1.9x1.9 smd: 6(-1.2,-0.39) 6(1.2,-0.39)
  oval 0.85x1.7 hole 0.5x1.2: 6(2.825,-0.39)

## Nets
